# Altium PCB PCB1.PcbDoc
Units mm, origin at the board's own origin, x right, y up, seen from the top; angles counter-clockwise.
Board outline 94 x 80 mm, 2 copper layers (Top Layer, Bottom Layer); 214 components, 154 nets, 1030 pads, 0 vias.
Unrouted connection lines stored in the file: 432.
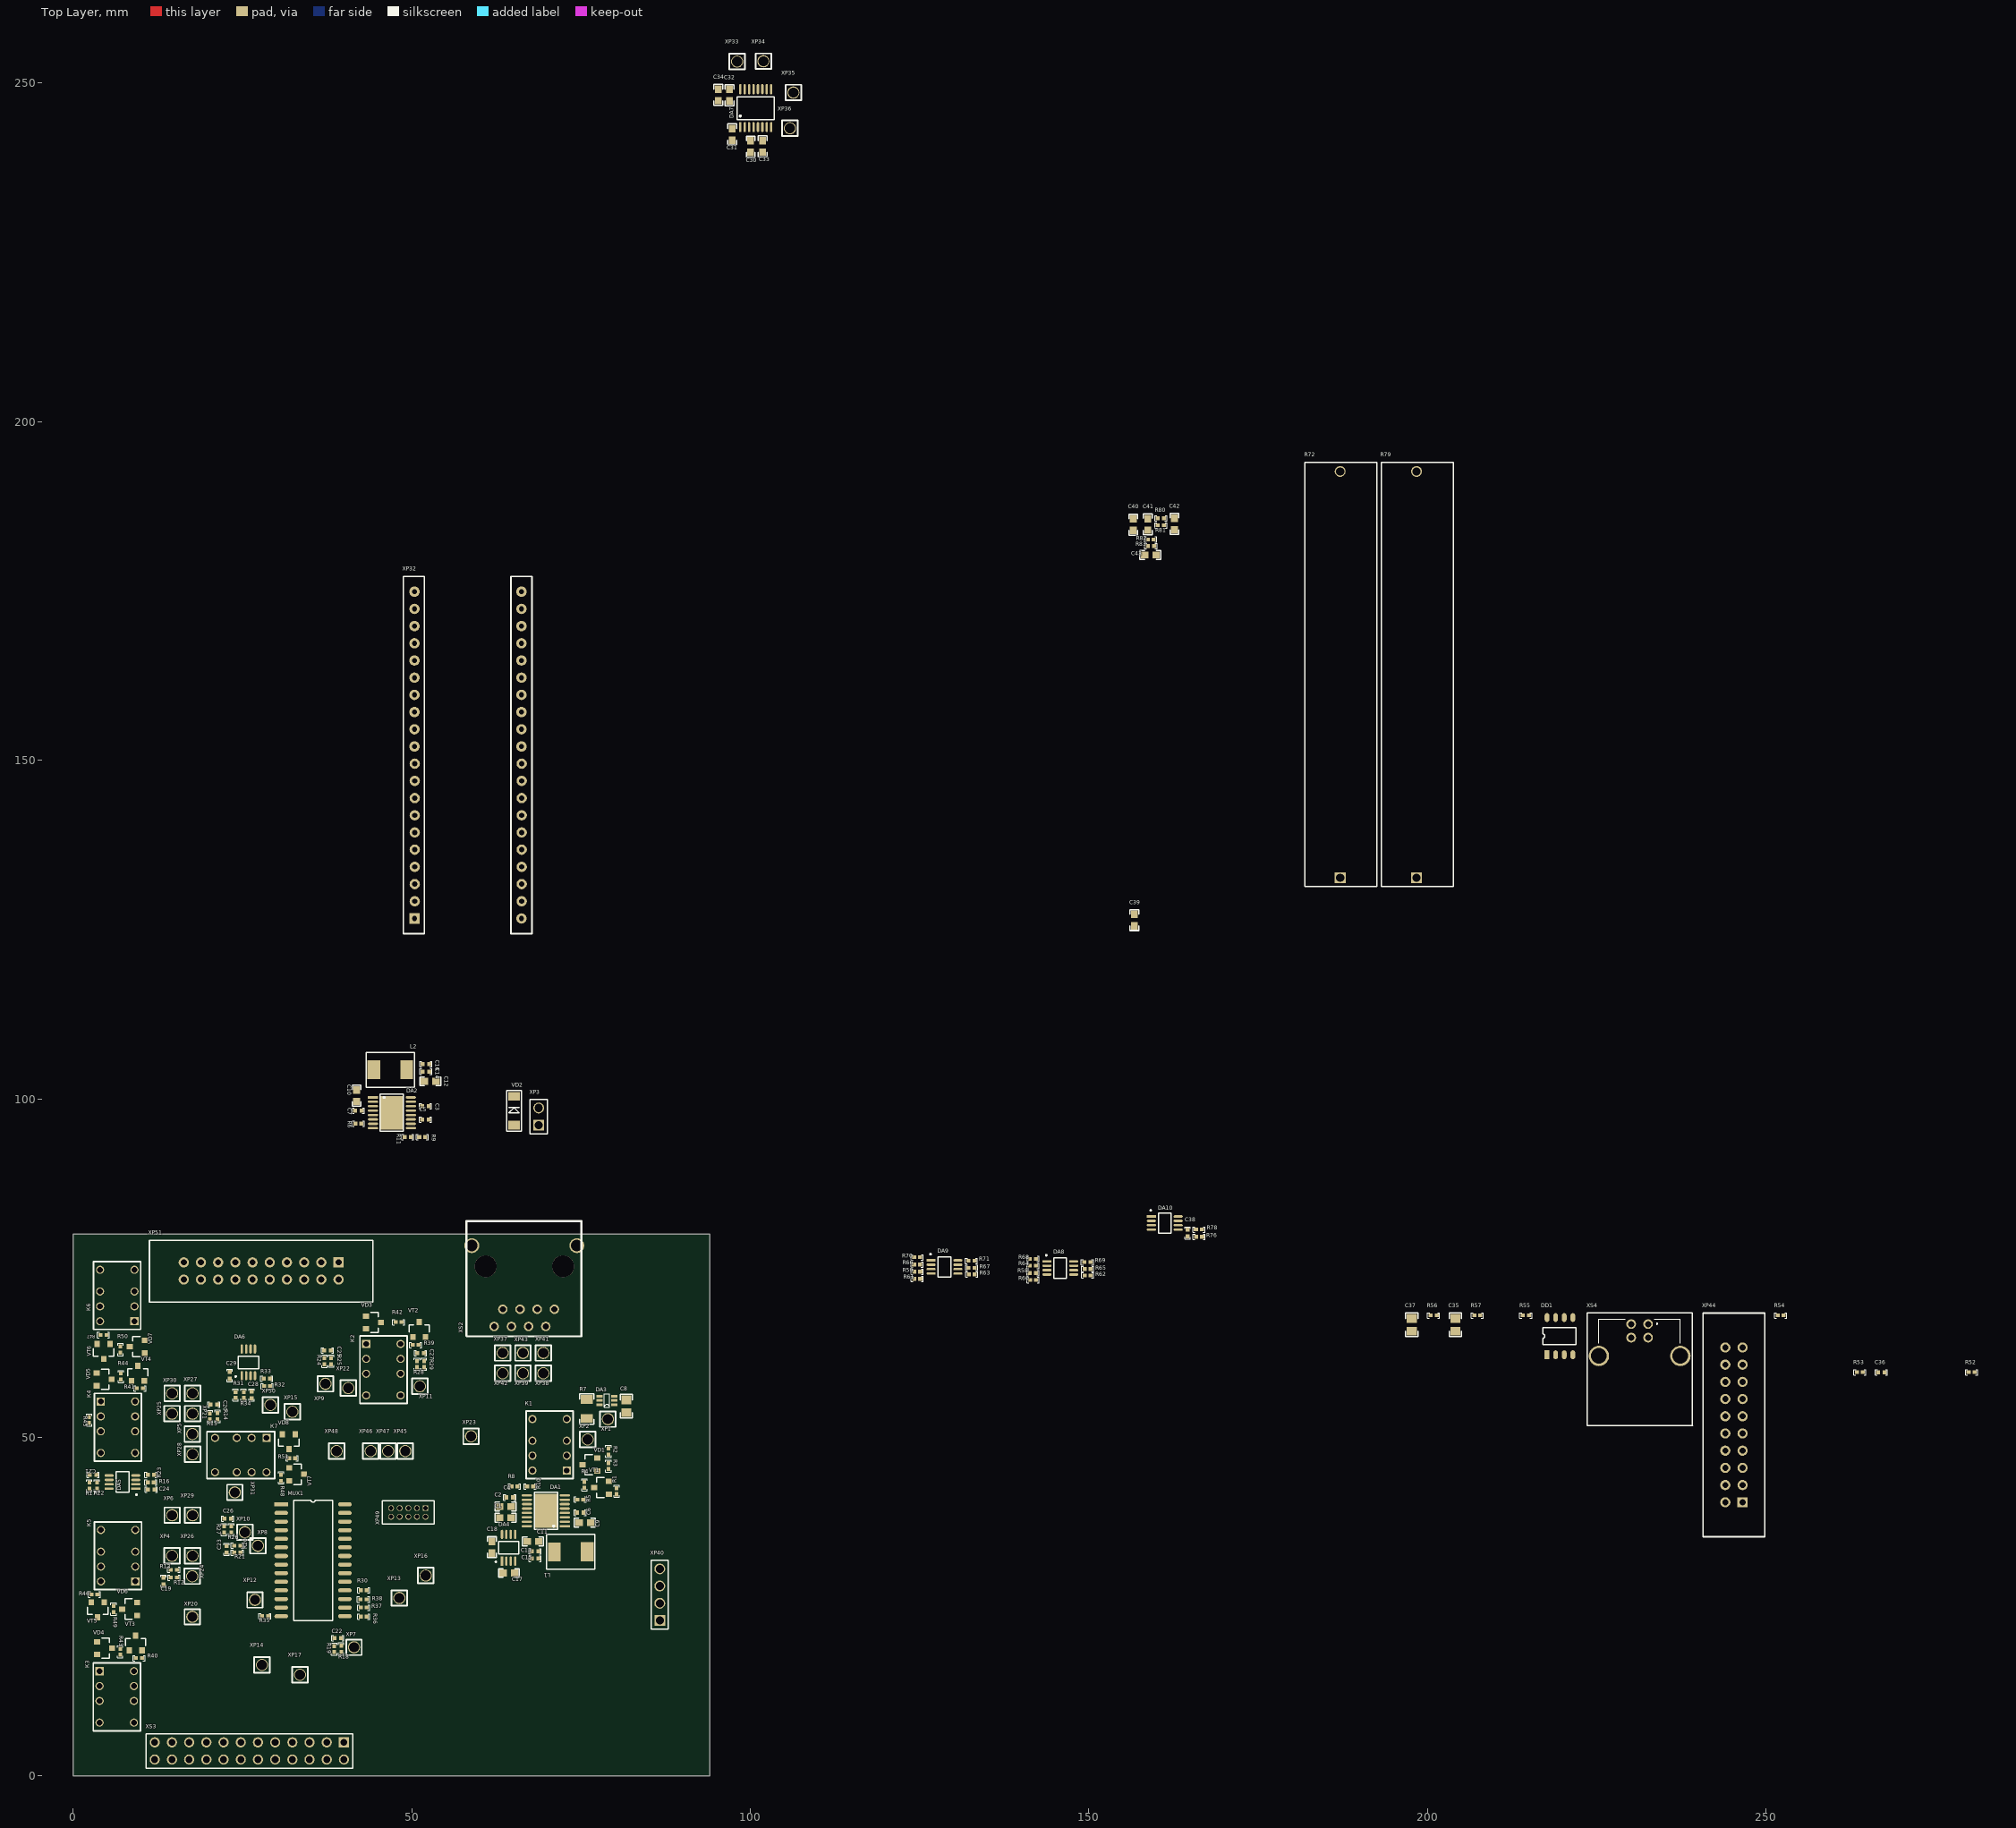
[diagram p0: Top Layer view]
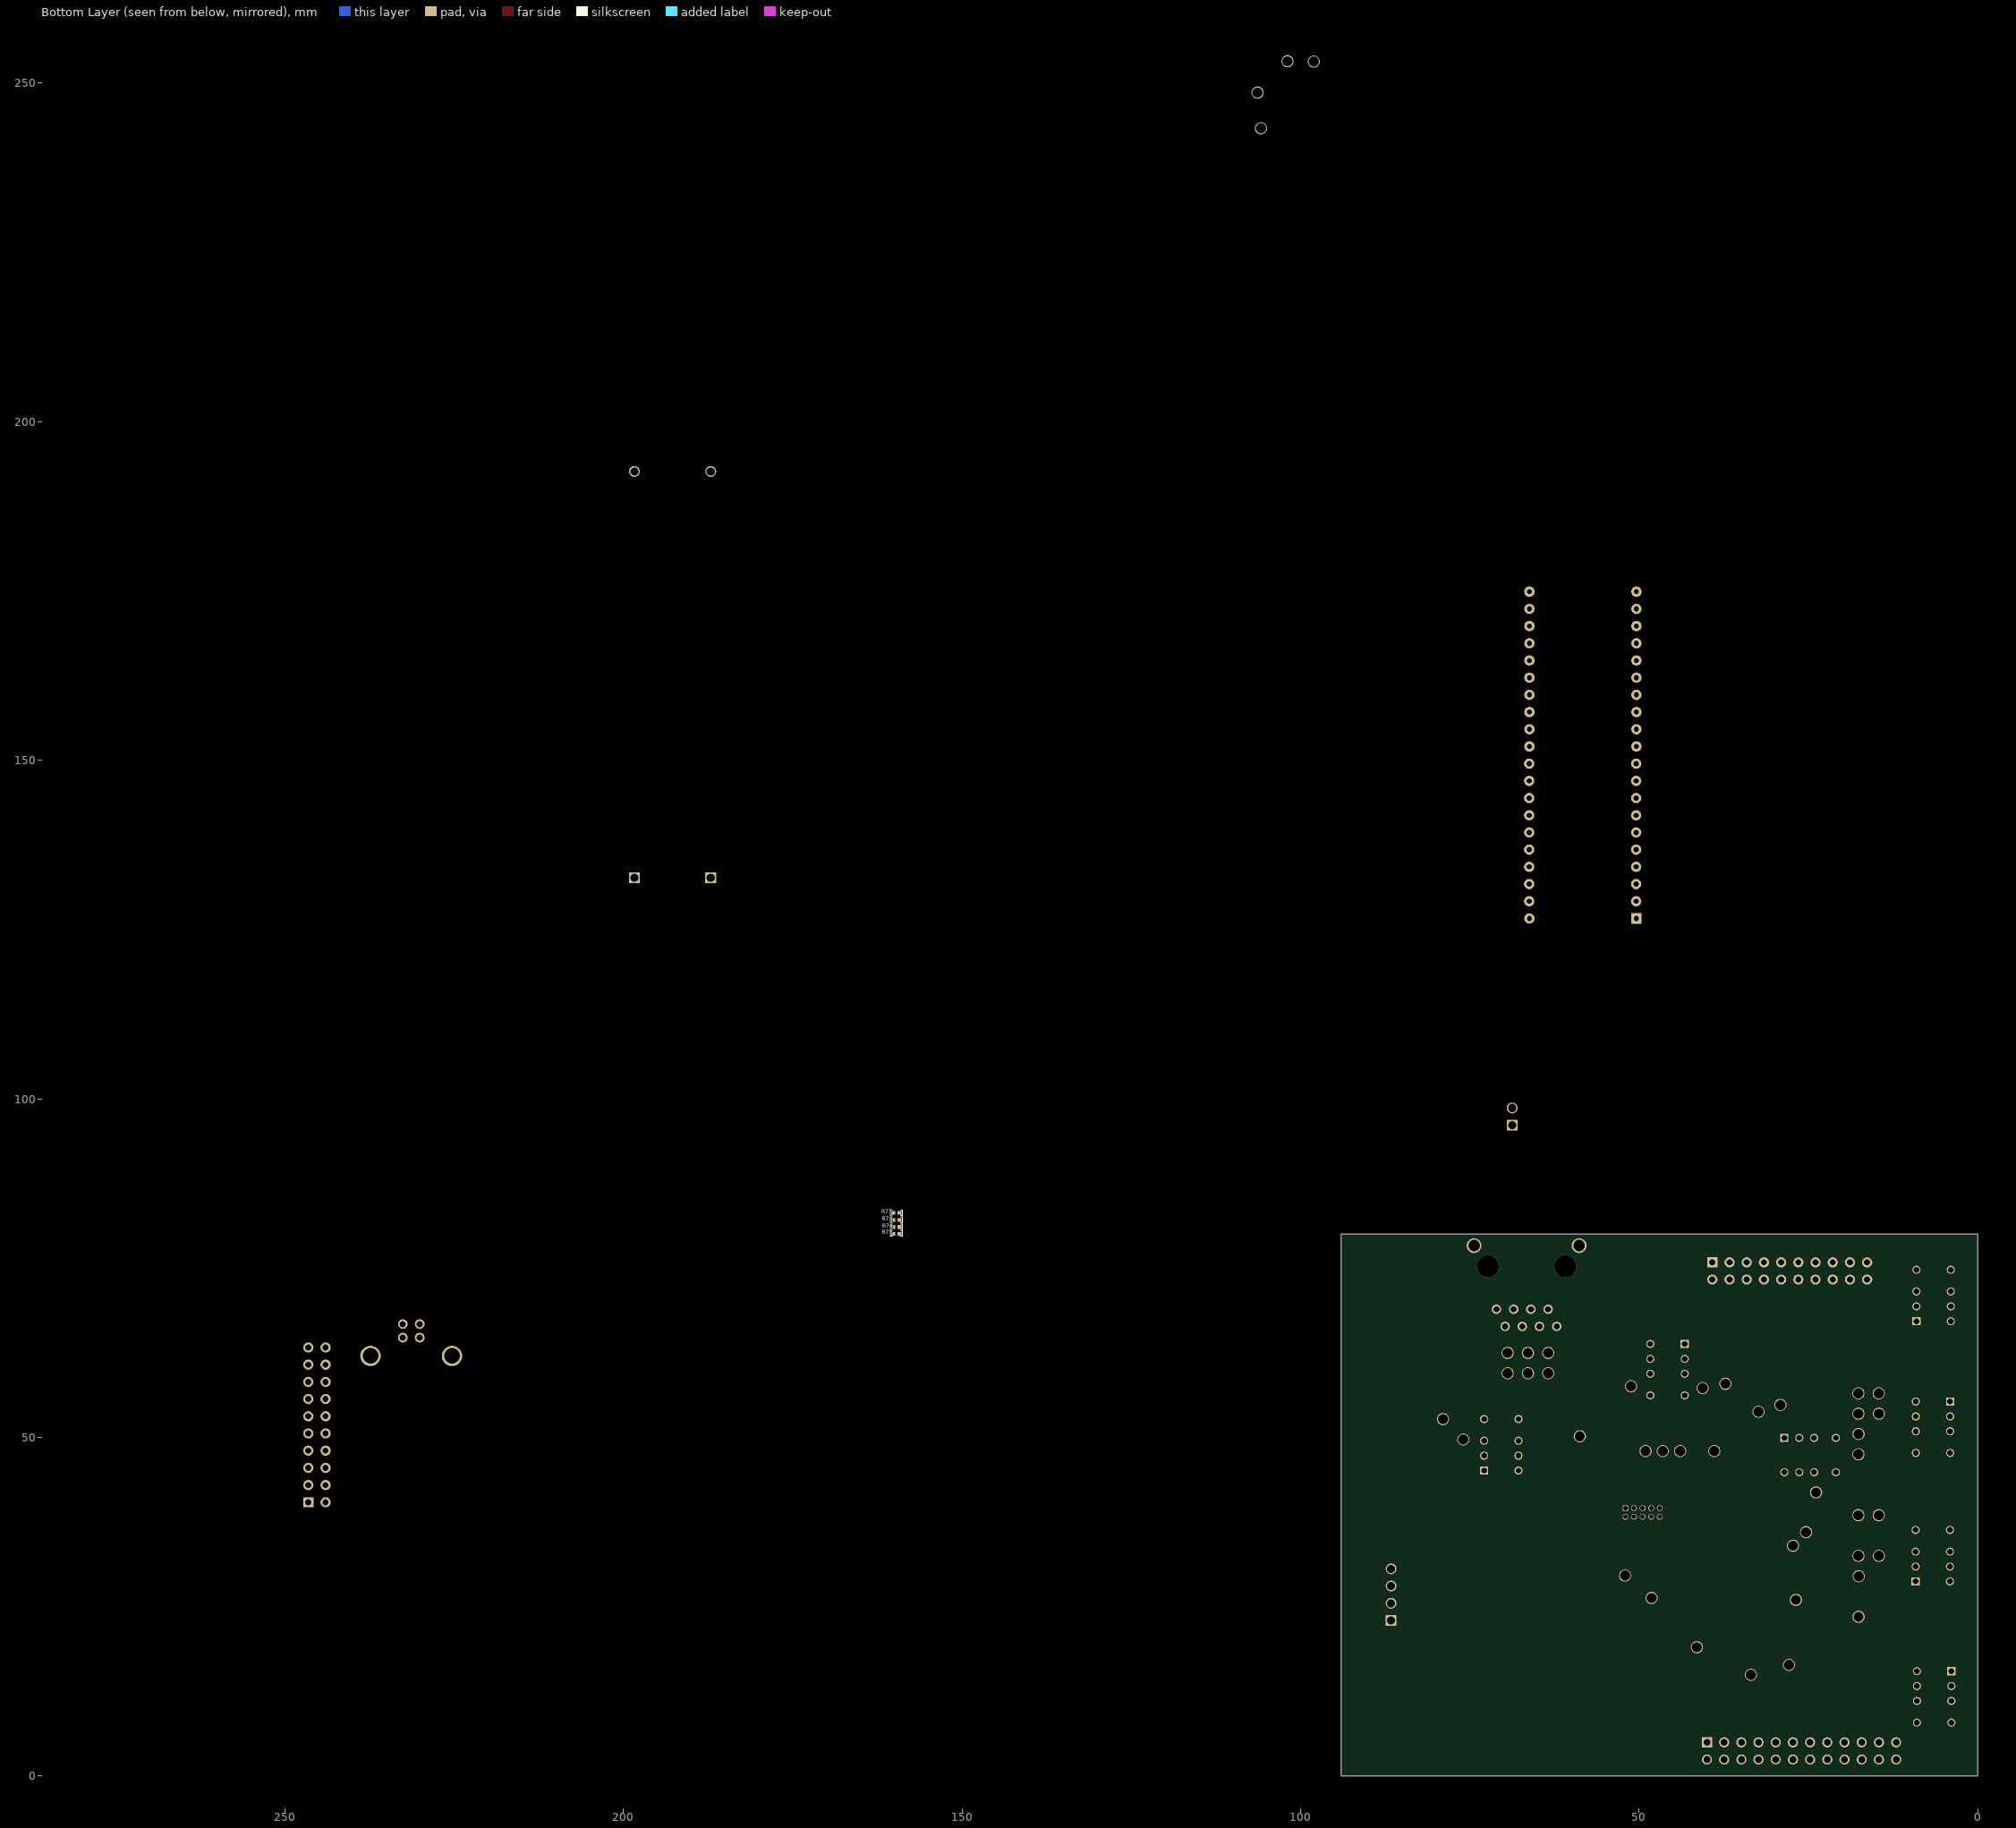
[diagram p1: Bottom Layer view, seen from below]

## Layer stack, top to bottom
Top Solder: solder mask 0.0102, Solder Resist, Dk 3.5
Top Layer: signal copper 0.0356
Dielectric 1: dielectric 0.32, FR-4, Dk 4.8
Bottom Layer: signal copper 0.0356
Bottom Solder: solder mask 0.0102, Solder Resist, Dk 3.5

## Board outline
0,0 0,80 94,80 94,0

## Design rules (kind name [scope] priority, off if disabled: settings)
Clearance [All] p1: gap=0.254 ignorepadtopadclearanceinfootprint=TRUE except(0: Arc-Hole Track-Hole SMDPad-Hole THPad-Hole Via-Hole Fill-Hole Poly-Hole Region-Hole Text-Hole)
Height [All] p1: minheight=0 maxheight=35 prefheight=12.7
PolygonConnect [All] p1: connectstyle=Relief reliefconductorwidth=0.254 reliefentries=4 polygonreliefangle="90 Angle" airgapwidth=0.254
RoomDefinition STM [InComponentClass('STM')] p1: confinementstyle=ConfineIn formatcopy=TRUE lockcomponents=FALSE outline 86.205,214.96 146.908,214.96 146.908,269.338 86.205,269.338
RoomDefinition Rele [InComponentClass('Rele')] p2: confinementstyle=ConfineIn formatcopy=TRUE lockcomponents=FALSE outline 0,197.225 220.786,197.225 220.786,208.8 0,208.8
RoomDefinition Power [InComponentClass('Power')] p3: confinementstyle=ConfineIn formatcopy=TRUE lockcomponents=FALSE outline 164.475,220.074 324.808,220.074 324.808,231.675 164.475,231.675
RoomDefinition Peltie [InComponentClass('Peltie')] p4: confinementstyle=ConfineIn formatcopy=TRUE lockcomponents=FALSE outline 95.13,123.606 132.806,123.606 132.806,187.759 95.13,187.759
RoomDefinition ControlPoint [InComponentClass('ControlPoint')] p5: confinementstyle=ConfineIn formatcopy=TRUE lockcomponents=FALSE outline 98.067,98.424 314.653,98.424 314.653,118.125 98.067,118.125
RoomDefinition Connectors [InComponentClass('Connectors')] p6: confinementstyle=ConfineIn formatcopy=TRUE lockcomponents=FALSE outline 196.521,35.073 356.054,35.073 356.054,69.65 196.521,69.65
RoomDefinition Check_Laser [InComponentClass('Check_Laser')] p7: confinementstyle=ConfineIn formatcopy=TRUE lockcomponents=FALSE outline 104.655,5.275 197.334,5.275 197.334,69.403 104.655,69.403
RoutingVias [All] p1: holewidth=0.711 width=1.27 viastyle="Through Hole" minholewidth=0.711 minwidth=1.27 maxholewidth=0.711 maxwidth=1.27
SolderMaskExpansion [All] p1: expansion=0.102 istentingtop=FALSE
Width [All] p1: maxlimit=0.254 minlimit=0.254 preferedwidth=0.254
29 further rules are at their usual default settings.

## Classes and differential pairs
component class STM: C17 C18 C19 C20 DA4 XP28 XP29 XP30 XP31
component class Rele: R34 R35 R37 R38 R39 R44 R46 R48 R53 R69 R71 R80 VD3 VD4 VD5 VD6 VD7 VD8 VT2 VT3 VT4 VT5 VT6 VT7 XP18 XP19 XP20 XP21 XP22 XP23 XP24 XP25 XP26 XP27 К2 К3 К4 К5 К6 К7
component class Power: C1 C2 C6 DA1 L1 R1 R2 R3 R4 R6 R8 VD1 VD2 VT1 XP1 XP2 XP3 К1
component class Peltie: R84 R85 R86 XP17
component class ControlPoint: C11 C13 C15 DA4 MUX1 R12 R14 R15 R16 R17 R18 R19 R20 R22 R23 R24 R25 R26 R27 R29 R30 R31 R32 R33 R34 XP4 XP6 XP8 XP10 XP12 XP15
component class Connectors: C21 C22 DD1 R56 R57 R69 R71 R80 R85 XP17 XP33 XP34 XP35 XP36 XP37 XP38 XP40 XP41 XP42 XP43 XP44 XS2 XS3
component class Check_Laser: DA6 DA8 R69 R71 R80 R84 R85 R86

## Components (designator, comment, footprint, x,y, rotation, side; value= is the part's Value field where it differs from the comment)
C1 "22uF" 0603C 63.85,38.141 r0 top
C2 "22uF" 0603C 63.85,39.791 r0 top
C3 "100nF" 0402C 52.05,98.909 r180 top
C4 "10nF" 0402C 64.475,41.141 r0 top (schematic designator C3)
C5 "10nF" 0402C 52.05,96.959 r180 top
C6 "10uF" 0402C 74.875,38.891 r180 top (schematic designator C4)
C7 "10uF" 0402C 42.1,98.234 r0 top
C8 "0.1uF" 0805C 81.7,54.6 r90 top (schematic designator C5)
C9 "1uF" 0603C 75.55,37.416 r0 top (schematic designator C6)
C10 "1uF" 0603C 41.85,100.459 r90 top
C11 "100uF" 0603C 67.9,34.65 r0 top (schematic designator C7)
C12 "100uF" 0603C 52.725,102.584 r180 top
C13 "100nF" 0402C 68.225,33.175 r0 top (schematic designator C8)
C14 "100nF" 0402C 52.075,104.034 r180 top
C15 "100nF" 0402C 68.225,32.091 r0 top (schematic designator C9)
C16 "100nF" 0402C 52.075,105.109 r180 top
C17 "1uF" 0603C 64.35,29.975 r180 top (schematic designator C10)
C18 "1uF" 0603C 61.85,33.775 r270 top (schematic designator C11)
C19 "100nF" 0402C 13.325,28.775 r90 top (schematic designator C12)
C20 "100nF" 0402C 20.774,54.826 r180 top (schematic designator C13)
C21 "10nF" 0402C 2.95,44.45 r0 top (schematic designator C14)
C22 "100nF" 0402C 39.075,20.375 r0 top (schematic designator C15)
C23 "100nF" 0402C 22.675,33.5 r270 top (schematic designator C16)
C24 "10nF" 0402C 11.525,42.275 r180 top (schematic designator C17)
C25 "100nF" 0402C 37.575,62.825 r0 top (schematic designator C18)
C26 "100nF" 0402C 22.825,37.975 r0 top (schematic designator C19)
C27 "100nF" 0402C 51.297,62.44 r0 top (schematic designator C20)
C28 "10nF" 0402C 26.345,56.275 r90 top (schematic designator C21)
C29 "10nF" 0402C 23.095,59.15 r90 top (schematic designator C22)
C30 "4.7uF" 0603C 100.05,240.625 r90 top
C31 "4.7uF" 0603C 97.325,242.425 r90 top
C32 "4.7uF" 0603C 96.9,248.225 r90 top
C33 "4.7uF" 0603C 101.825,240.65 r90 top
C34 "4.7uF" 0603C 95.275,248.25 r90 top
C35 "0.1uF" 0805C 204.122,66.625 r90 top
C36 "10uF" 0402C 267.025,59.625 r0 top (schematic designator C30)
C37 "0.1uF" 0805C 197.671,66.625 r90 top
C38 "100nF" 0402C 164.6,80.2 r90 top (schematic designator C31)
C39 "1uF" 0603C 156.725,126.4 r90 top (schematic designator C32)
C40 "1uF" 0603C 156.55,184.8 r270 top (schematic designator C33)
C41 "1uF" 0603C 158.7,184.825 r270 top (schematic designator C34)
C42 "1uF" 0603C 162.625,184.9 r90 top (schematic designator C35)
C43 "1uF" 0603C 159.075,180.3 r0 top (schematic designator C36)
DA1 "LM43603PWPR" TSSOP-17 69.8,39.166 r90 top value=LM43603QWPR
DA2 "LM43603PWPR" TSSOP-17 47.075,97.934 r270 top value=LM43603QWPR
DA3 "INA210AIDCKT" SC-70-6 78.825,55.45 r90 top (schematic designator DA2)
DA4 "ADP3333ARMZ-5" MSOP-8 63.325,31.725 r0 top (schematic designator DA3)
DA5 "AD8066ARMZ" MSOP-8 9.25,42.425 r90 top (schematic designator DA4)
DA6 "AD8066ARMZ" MSOP-8 24.895,59.1 r0 top (schematic designator DA5)
DA7 "ADM3202ARU" TSSOP-16 100.8,246.3 r0 top (schematic designator DA6)
DA8 "AD8066ARMZ" MSOP-8 143.8,76 r270 top (schematic designator DA7)
DA9 "AD8066ARMZ" MSOP-8 126.7,76.15 r270 top (schematic designator DA8)
DA10 "AD8066ARMZ" MSOP-8 159.225,82.625 r270 top (schematic designator DA9)
DD1 "CH340N" SOP8 217.647,62.2 r90 top
L1 "IHLP2020BZER3R3M01" IHLP2020CZ-01 75.9,33.116 r180 top
L2 "IHLP2020BZER3R3M01" IHLP2020CZ-01 44.4,104.284 r0 top
MUX1 "MPC506AU" SOIC-28 35.425,31.85 r0 top
R1 "1K" R0402 80.25,42.05 r270 top
R2 "100K" R0402 79.05,47.925 r270 top (schematic designator R5)
R3 "20K" R0402 79.05,45.775 r270 top (schematic designator R7)
R4 "24R" R0402 75.5,43 r90 top (schematic designator R2)
R5 "18.2K" R0402 74.875,40.816 r180 top (schematic designator R3)
R6 "18.2K" R0402 42.125,96.334 r0 top
R7 "0.018R" R1206 75.85,54.2 r270 top (schematic designator R4)
R8 "8.2K" R0402 65.175,42.766 r0 top
R9 "1.2K" R0402 51.55,94.359 r180 top
R10 "40.2K" R0402 67.475,42.766 r0 top (schematic designator R9)
R11 "2.7K" R0402 49.4,94.359 r180 top
R12 "100K" R0402 14.875,29.3 r180 top (schematic designator R10)
R13 "56K" R0402 14.865,30.45 r0 top (schematic designator R11)
R14 "100K" R0402 21.324,53.126 r90 top (schematic designator R12)
R15 "56K" R0402 20.199,53.101 r270 top (schematic designator R13)
R16 "100K" R0402 11.475,43.35 r180 top (schematic designator R14)
R17 "100K" R0402 2.4,42.875 r90 top (schematic designator R15)
R18 "100K" R0402 39.6,18.775 r90 top (schematic designator R16)
R19 "56K" R0402 38.55,18.75 r270 top (schematic designator R17)
R20 "100K" R0402 24.25,34.025 r180 top (schematic designator R18)
R21 "56K" R0402 24.25,32.975 r0 top (schematic designator R19)
R22 "100K" R0402 3.525,42.875 r270 top (schematic designator R20)
R23 "10K" R0402 11.5,44.475 r0 top (schematic designator R21)
R24 "100K" R0402 37.1,61.25 r90 top (schematic designator R22)
R25 "56K" R0402 38.1,61.275 r270 top (schematic designator R23)
R26 "100K" R0402 23.35,36.4 r90 top (schematic designator R24)
R27 "56K" R0402 22.275,36.4 r270 top (schematic designator R25)
R28 "100K" R0402 50.772,60.815 r90 top (schematic designator R26)
R29 "56K" R0402 51.822,60.815 r270 top (schematic designator R27)
R30 "10K" R0402 42.9,27.425 r0 top (schematic designator R28)
R31 "100K" R0402 23.97,56.275 r90 top (schematic designator R29)
R32 "100K" R0402 28.645,57.575 r180 top (schematic designator R30)
R33 "100K" R0402 28.595,58.675 r0 top (schematic designator R31)
R34 "10K" R0402 25.195,56.275 r270 top (schematic designator R32)
R35 "10K" R0402 28.325,23.6 r0 top (schematic designator R33)
R36 "10K" R0402 42.9,23.525 r180 top (schematic designator R34)
R37 "10K" R0402 42.9,24.875 r180 top (schematic designator R35)
R38 "10K" R0402 42.875,26.075 r180 top (schematic designator R36)
R39 "1K" R0402 50.575,63.65 r180 top (schematic designator R37)
R40 "1K" R0402 9.725,17.4 r180 top (schematic designator R38)
R41 "1K" R0402 9.85,57.25 r180 top (schematic designator R39)
R42 "24R" R0402 48.075,67.025 r180 top (schematic designator R43)
R43 "24R" R0402 6.95,18.35 r90 top (schematic designator R44)
R44 "24R" R0402 7.05,59 r270 top (schematic designator R45)
R45 "10K" R0402 2.35,52.575 r90 top (schematic designator R46)
R46 "1K" R0402 3.15,26.8 r0 top (schematic designator R47)
R47 "1K" R0402 4.475,65.125 r0 top (schematic designator R48)
R48 "1K" R0402 30.7,44.025 r90 top (schematic designator R49)
R49 "24R" R0402 5.975,24.65 r90 top (schematic designator R53)
R50 "24R" R0402 6.975,62.975 r90 top (schematic designator R54)
R51 "24R" R0402 32.325,46.925 r180 top (schematic designator R55)
R52 "10K" R0402 280.351,59.625 r0 top (schematic designator R59)
R53 "10K" R0402 263.85,59.625 r0 top (schematic designator R60)
R54 "10K" R0402 252.149,68.025 r0 top (schematic designator R61)
R55 "33R" R0402 214.522,68.025 r0 top
R56 "33R" R0402 200.897,68.025 r0 top
R57 "33R" R0402 207.347,68.025 r0 top
R58 "10K" R0402 141.725,74.275 r0 top (schematic designator R62)
R59 "10K" R0402 124.65,74.475 r0 top (schematic designator R63)
R60 "10K" R0402 141.75,73.25 r180 top (schematic designator R64)
R61 "10K" R0402 124.65,73.425 r180 top (schematic designator R65)
R62 "10K" R0402 149.8,73.925 r0 top (schematic designator R66)
R63 "10K" R0402 132.7,74.075 r0 top (schematic designator R67)
R64 "10K" R0402 141.725,75.35 r180 top (schematic designator R68)
R65 "10K" R0402 149.8,74.875 r180 top (schematic designator R69)
R66 "10K" R0402 124.625,75.525 r180 top (schematic designator R70)
R67 "10K" R0402 132.675,75.05 r180 top (schematic designator R71)
R68 "10K" R0402 141.725,76.375 r0 top (schematic designator R72)
R69 "10K" R0402 149.775,75.875 r180 top (schematic designator R73)
R70 "10K" R0402 124.625,76.6 r0 top (schematic designator R74)
R71 "10K" R0402 132.65,76.075 r180 top (schematic designator R75)
R72 "3R" SQP-10 187.1,133.925 r90 top
R73 "10K" R0402 159.675,82.1 r180 bottom (schematic designator R77)
R74 "10K" R0402 159.675,81.075 r180 bottom (schematic designator R78)
R75 "10K" R0402 159.675,80.075 r0 bottom (schematic designator R79)
R76 "20K" R0402 166.275,79.625 r180 top (schematic designator R80)
R77 "10K" R0402 159.675,83.15 r180 bottom (schematic designator R81)
R78 "10K" R0402 166.25,80.7 r180 top (schematic designator R82)
R79 "3R" SQP-10 198.375,133.925 r90 top
R80 "100K" R0402 160.625,185.725 r180 top (schematic designator R83)
R81 "56K" R0402 160.625,184.7 r180 top (schematic designator R84)
R82 "100K" R0402 159.125,182.6 r180 top (schematic designator R85)
R83 "56K" R0402 159.15,181.625 r180 top (schematic designator R86)
VD1 "BAV99" SOT-23-3 76.3,45.975 r180 top
VD2 "MBRAF1540T3G" SMA-FL 65.1,98.234 r90 top
VD3 "BAV99" SOT-23-3 44.35,66.975 r0 top
VD4 "BAV99" SOT-23-3 4.65,18.875 r0 top
VD5 "BAV99" SOT-23-3 4.575,58.575 r0 top
VD6 "BAV99" SOT-23-3 8.35,24.65 r180 top
VD7 "BAV99" SOT-23-3 9.475,63.4 r180 top
VD8 "BAV99" SOT-23-3 31.85,49.375 r270 top
VT1 "BSS138" SOT-23-3 78.025,42.575 r180 top
VT2 "BSS138" SOT-23-3 51.1,65.925 r90 top
VT3 "BSS138" SOT-23-3 9.225,19.625 r90 top
VT4 "BSS138" SOT-23-3 9.55,59.45 r90 top
VT5 "BSS138" SOT-23-3 3.625,24.55 r270 top
VT6 "BSS138" SOT-23-3 4.5,62.7 r270 top
VT7 "BSS138" SOT-23-3 33,44.55 r0 top
XP1 "PA" "POGO PIN P100-A2/B1" 78.971,52.7 r90 top
XP2 "PA" "POGO PIN P100-A2/B1" 75.971,49.7 r90 top
XP3 "PLS-2" PLS-2 68.75,97.379 r90 top
XP4 "PA" "POGO PIN P100-A2/B1" 14.6,32.5 r0 top
XP5 "PA" "POGO PIN P100-A2/B1" 17.601,50.501 r180 top
XP6 "PA" "POGO PIN P100-A2/B1" 14.621,38.5 r90 top (schematic designator XP5)
XP7 "PA" "POGO PIN P100-A2/B1" 41.466,19 r270 top (schematic designator XP6)